# Altium PCB UCL-CPUM-H7-1.PcbDoc (part 1 of 3)
Units mm, origin at the board's own origin, x right, y up, seen from the top; angles counter-clockwise.
Board outline 42 x 53 mm, 6 copper layers (Top Layer, L2_GND, L3_VCC, L4_Sig, L5_GND, Bottom Layer), stack 1.657 mm thick; 102 components, 182 nets, 509 pads, 278 vias.
Unrouted connection lines stored in the file: 34.
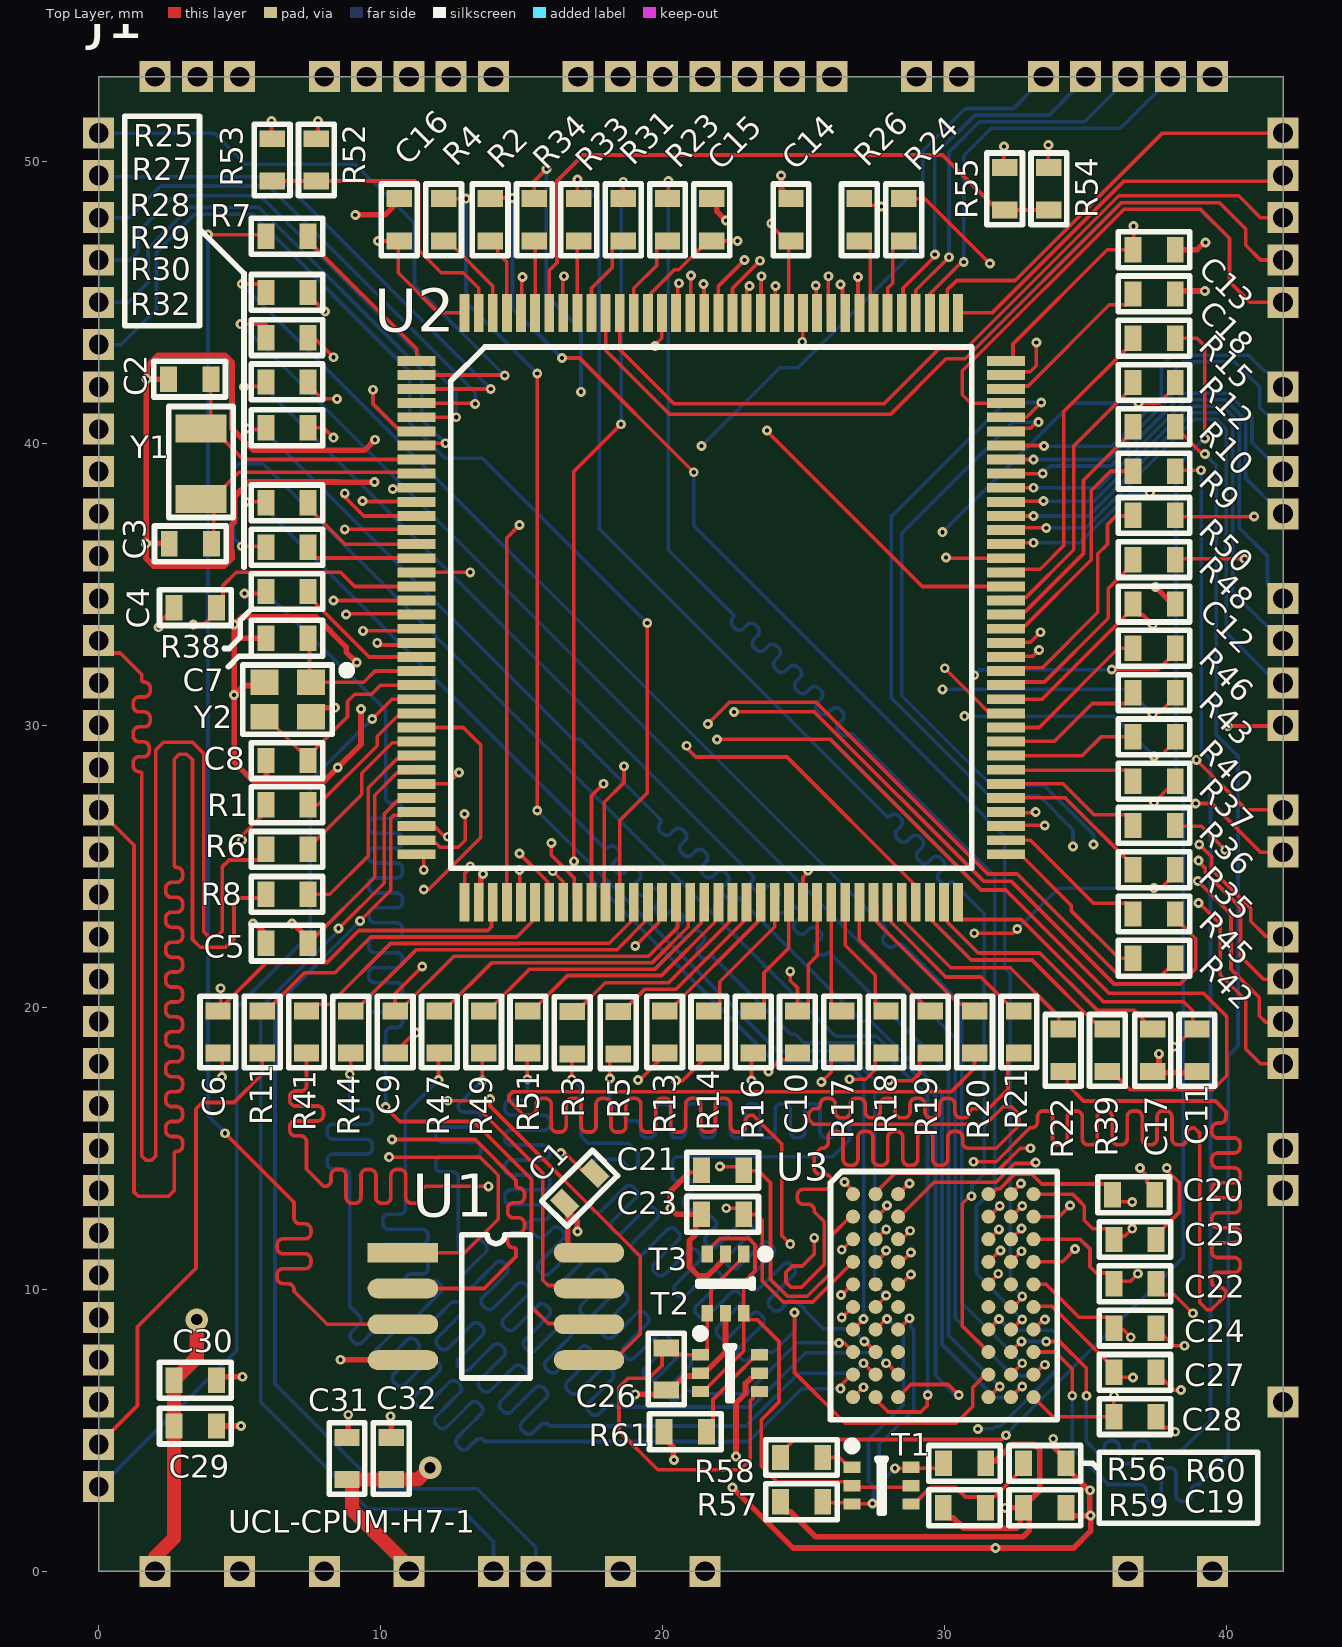
[diagram p0: Top Layer view]
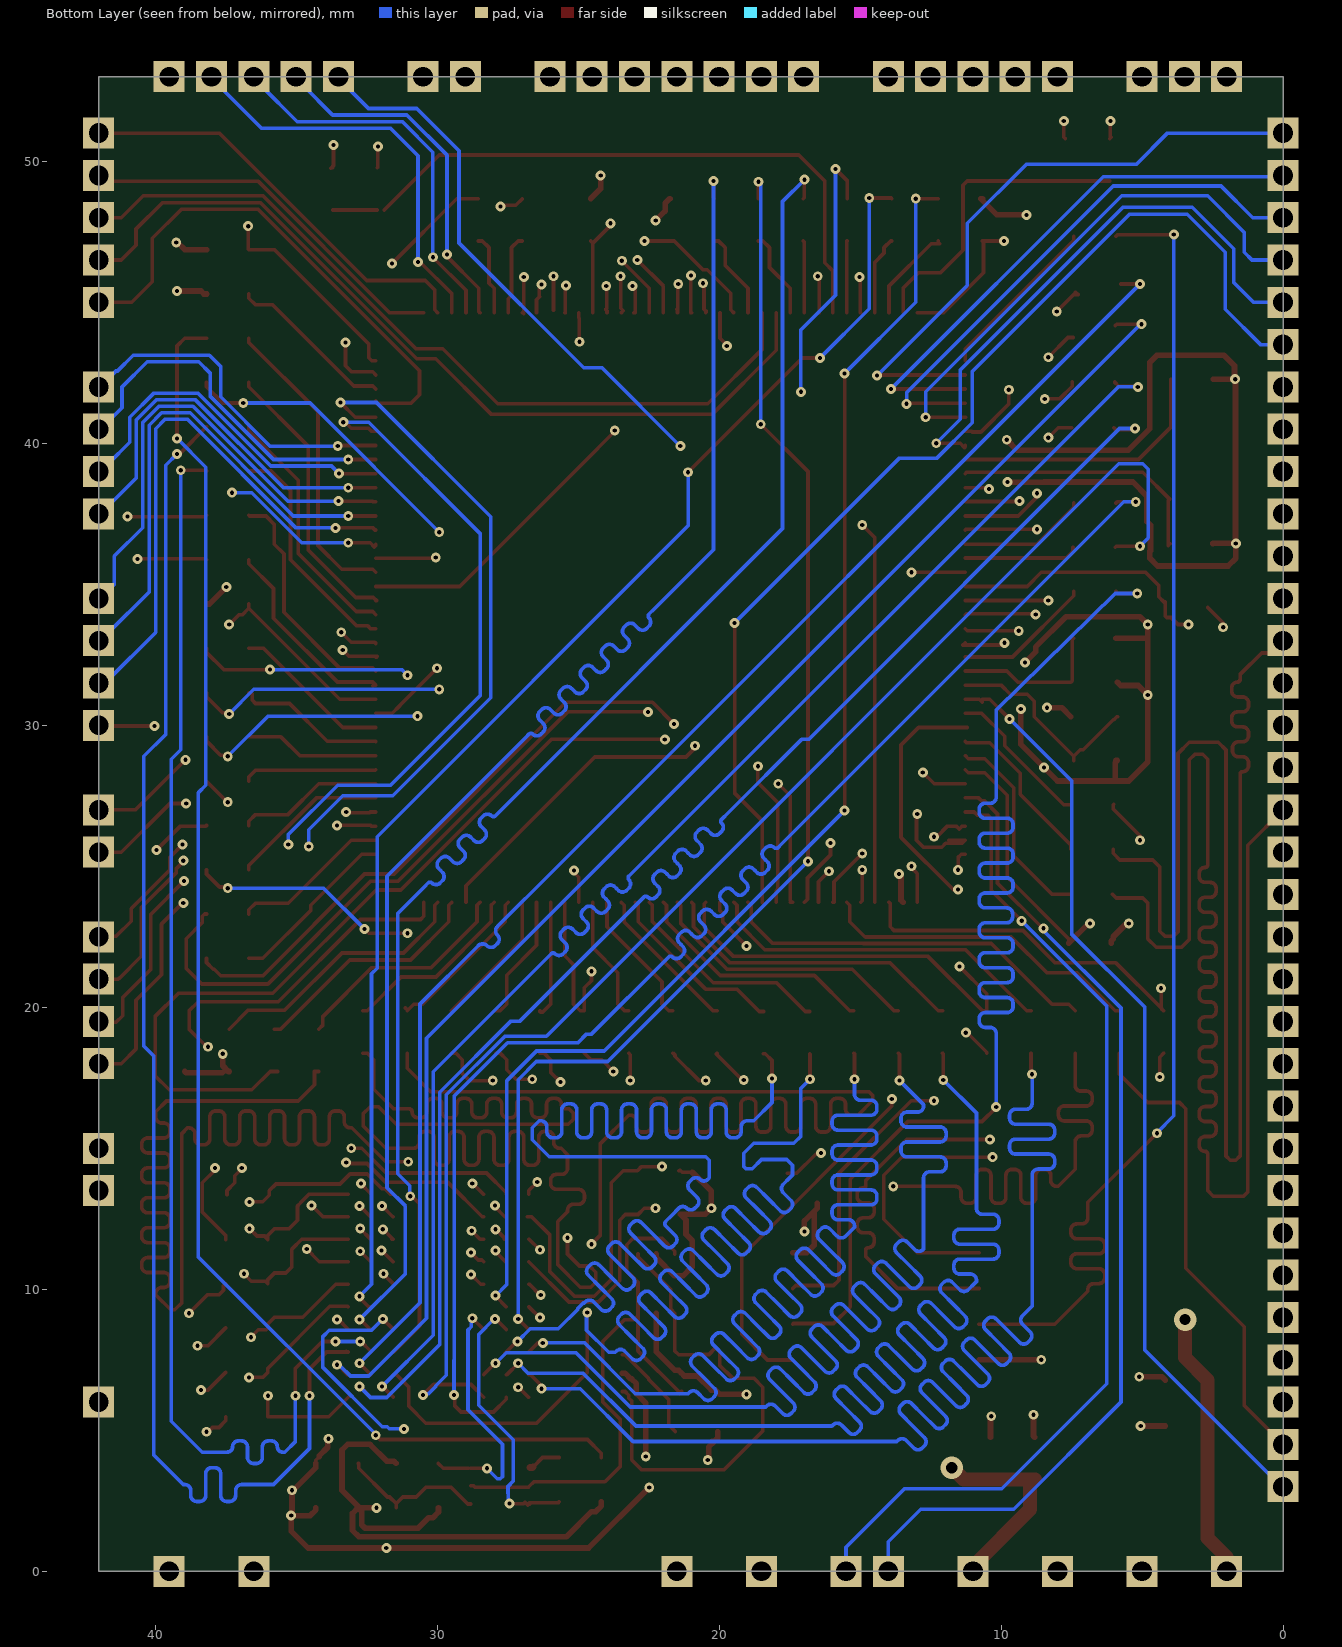
[diagram p1: Bottom Layer view, seen from below]
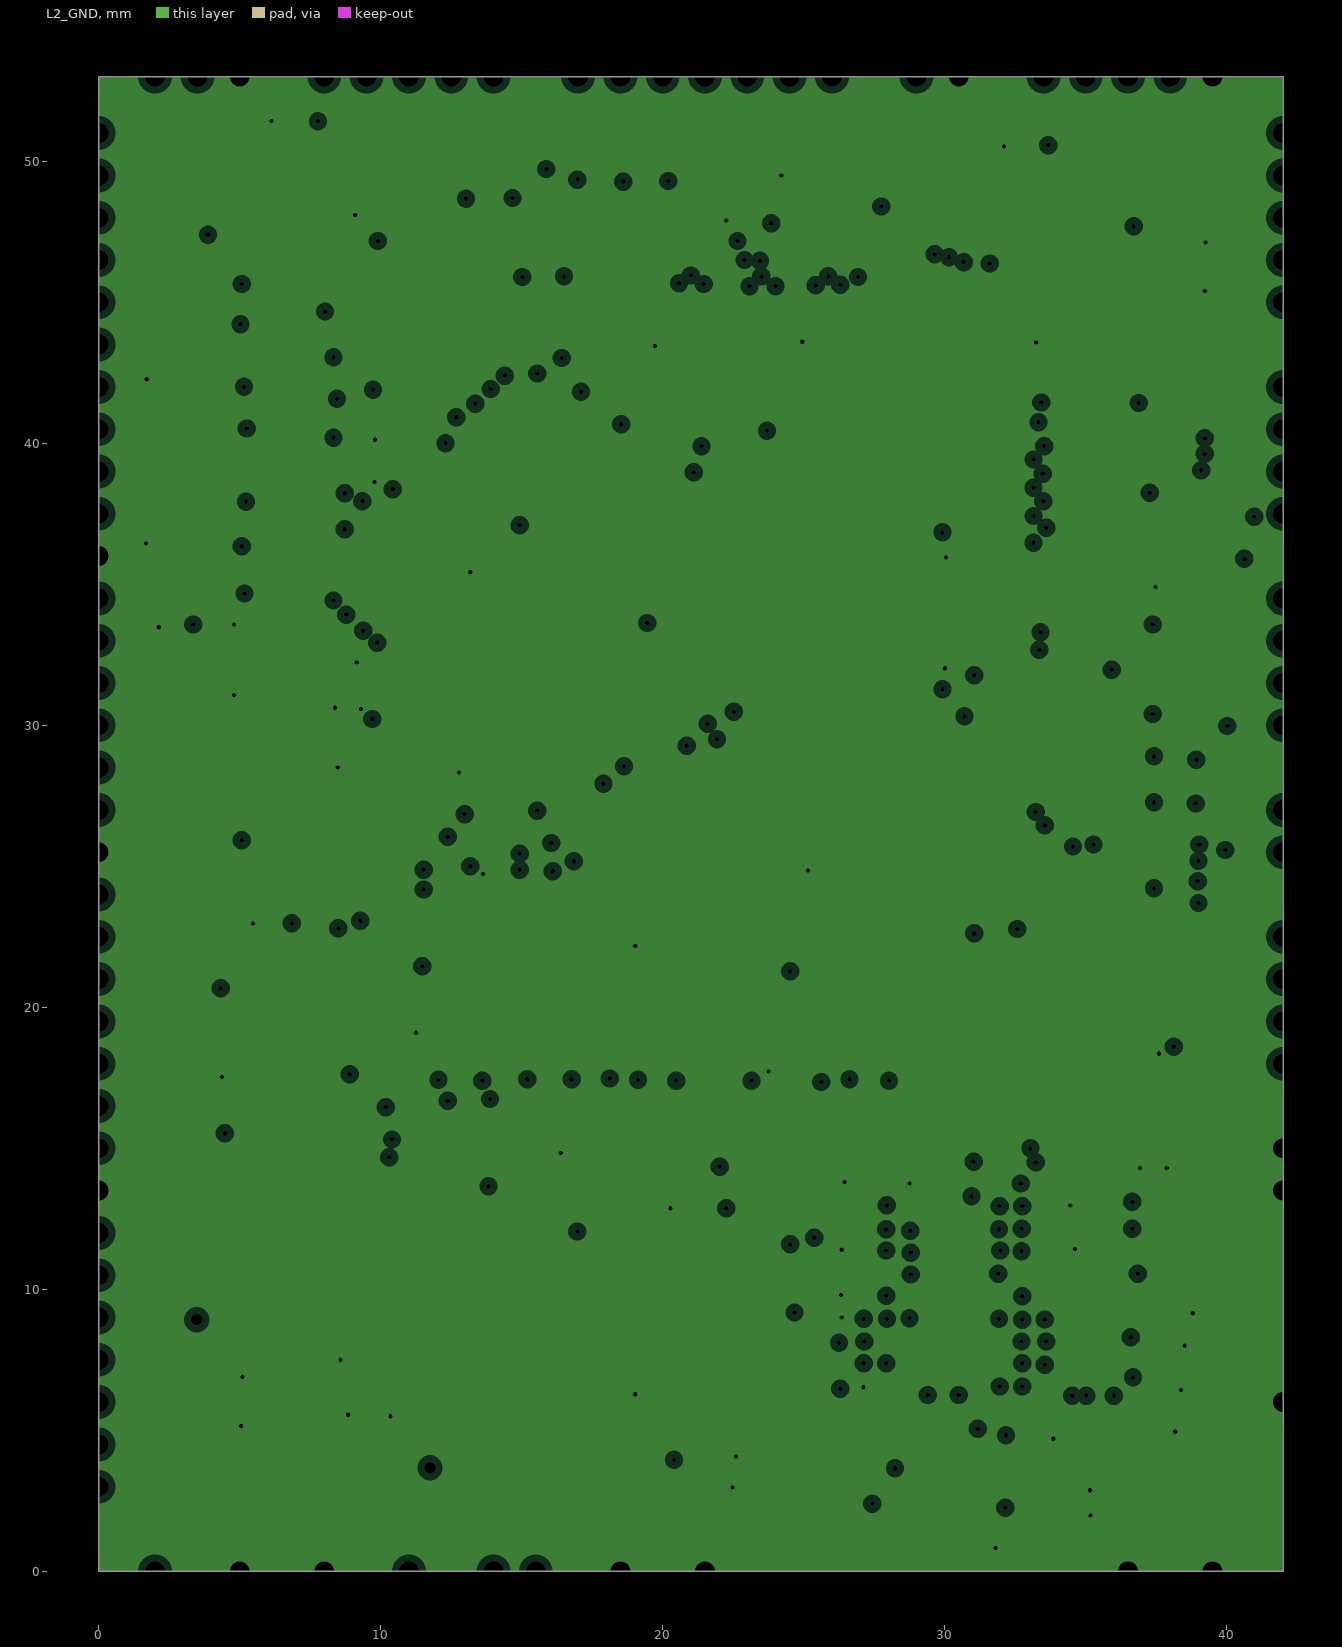
[diagram p2: L2_GND, clearances drawn from the general rule]
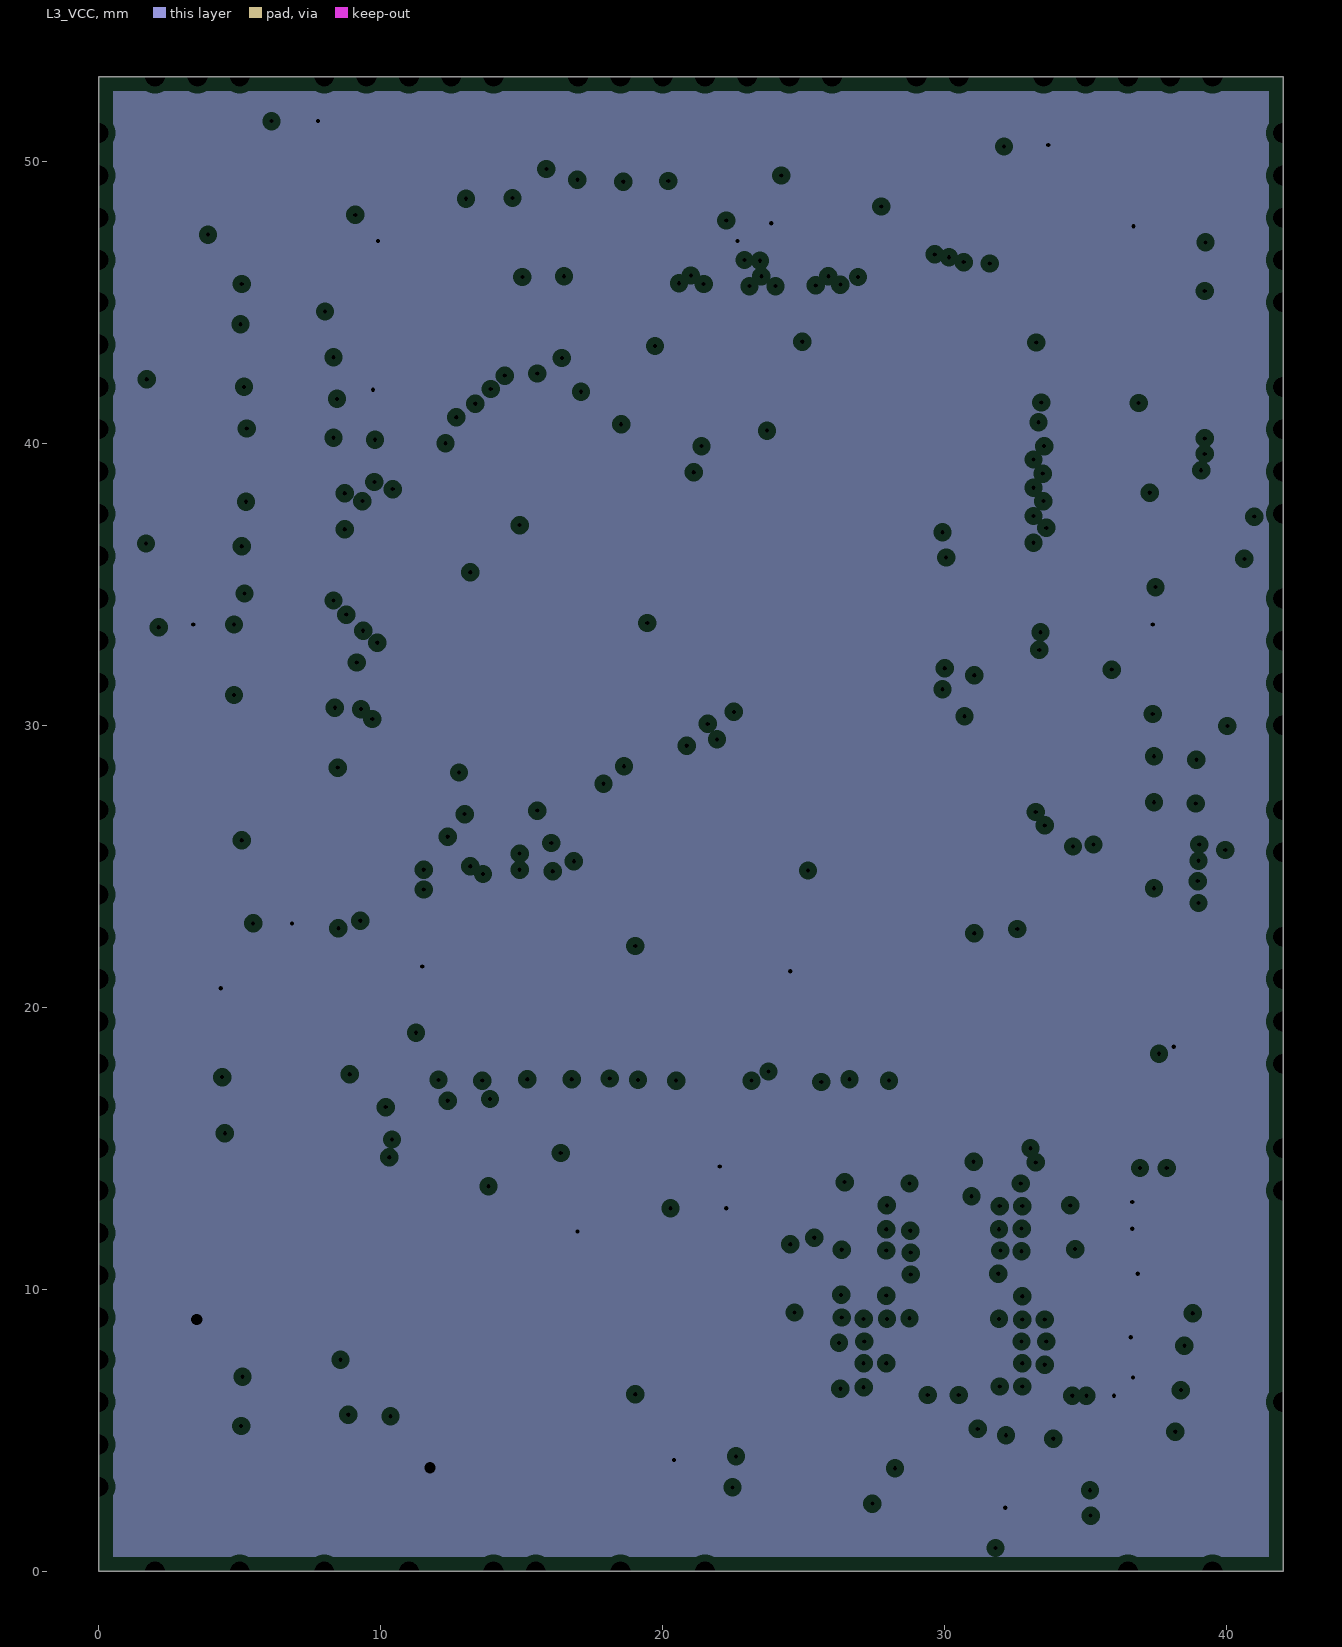
[diagram p3: L3_VCC, clearances drawn from the general rule]
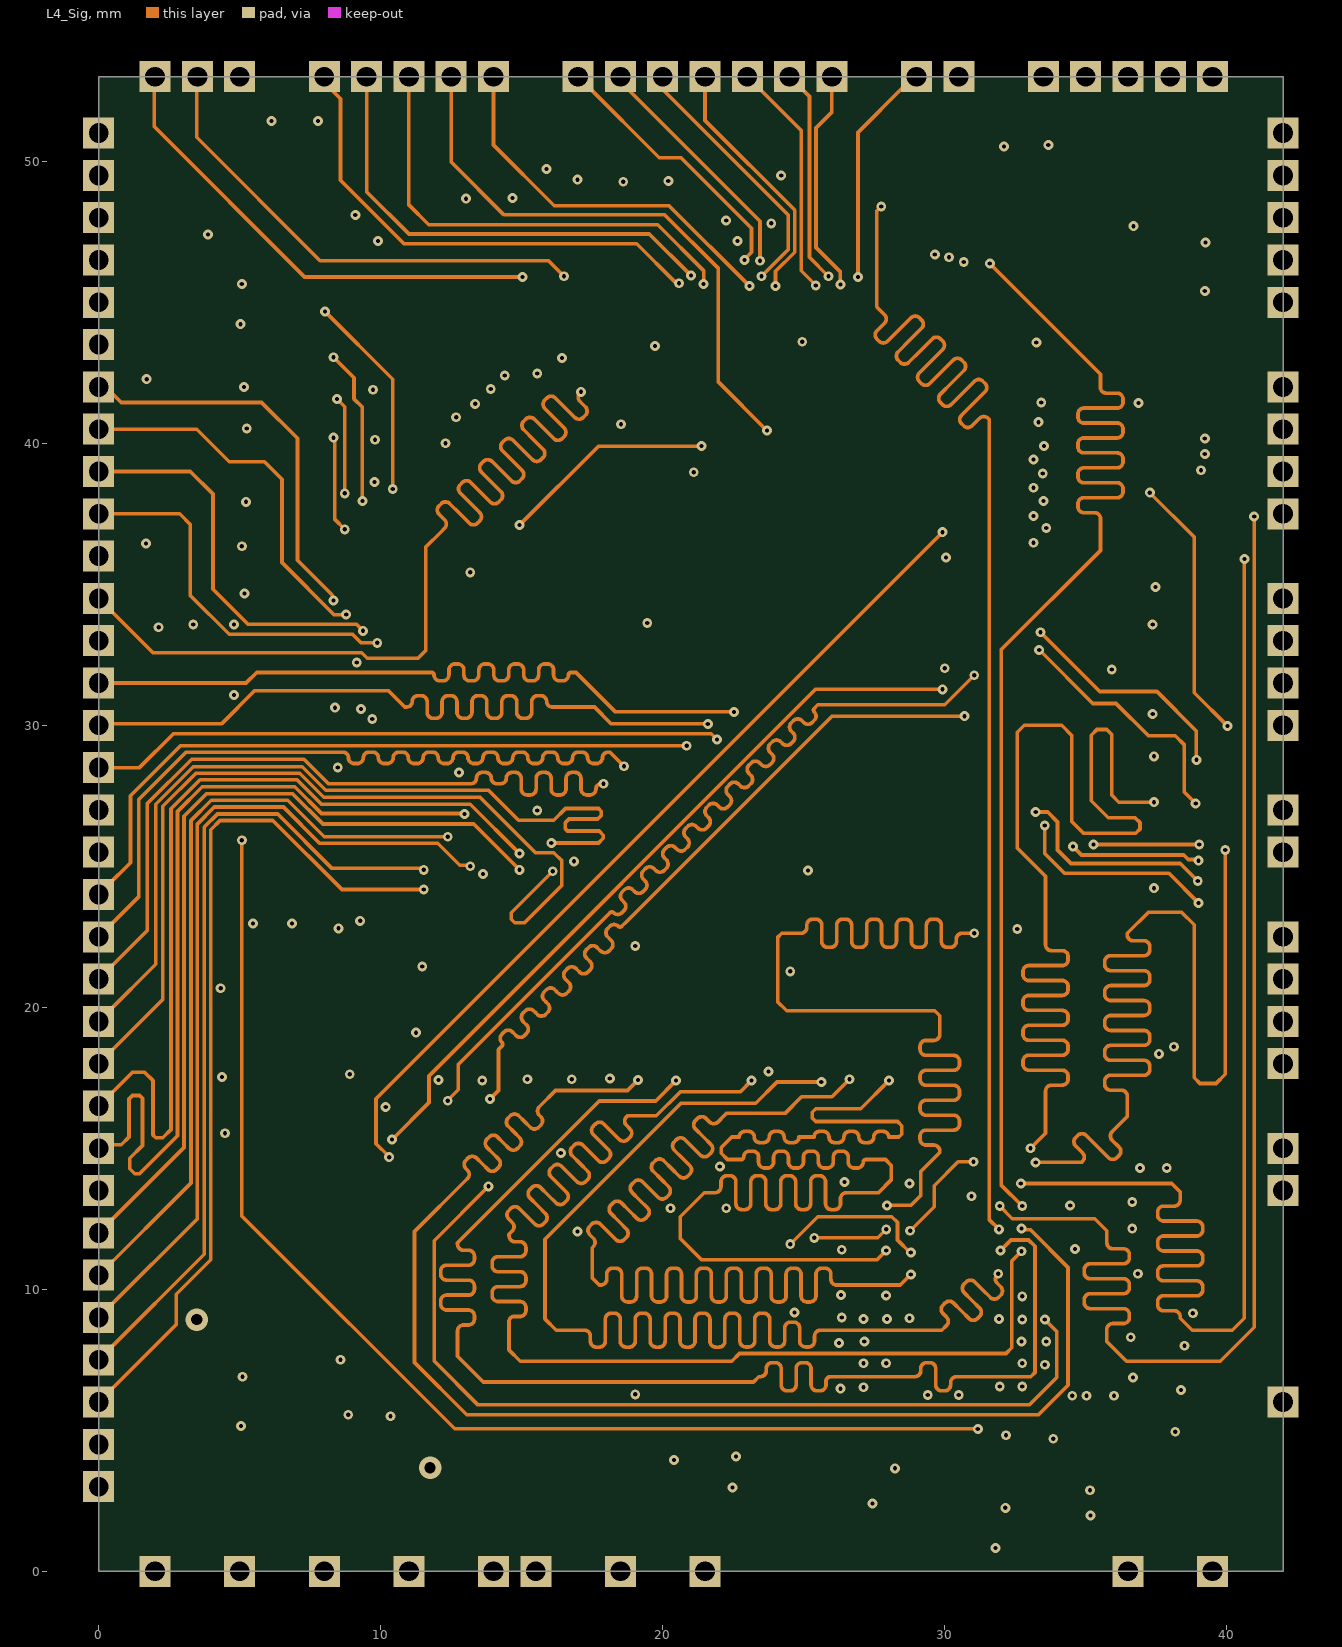
[diagram p4: L4_Sig]
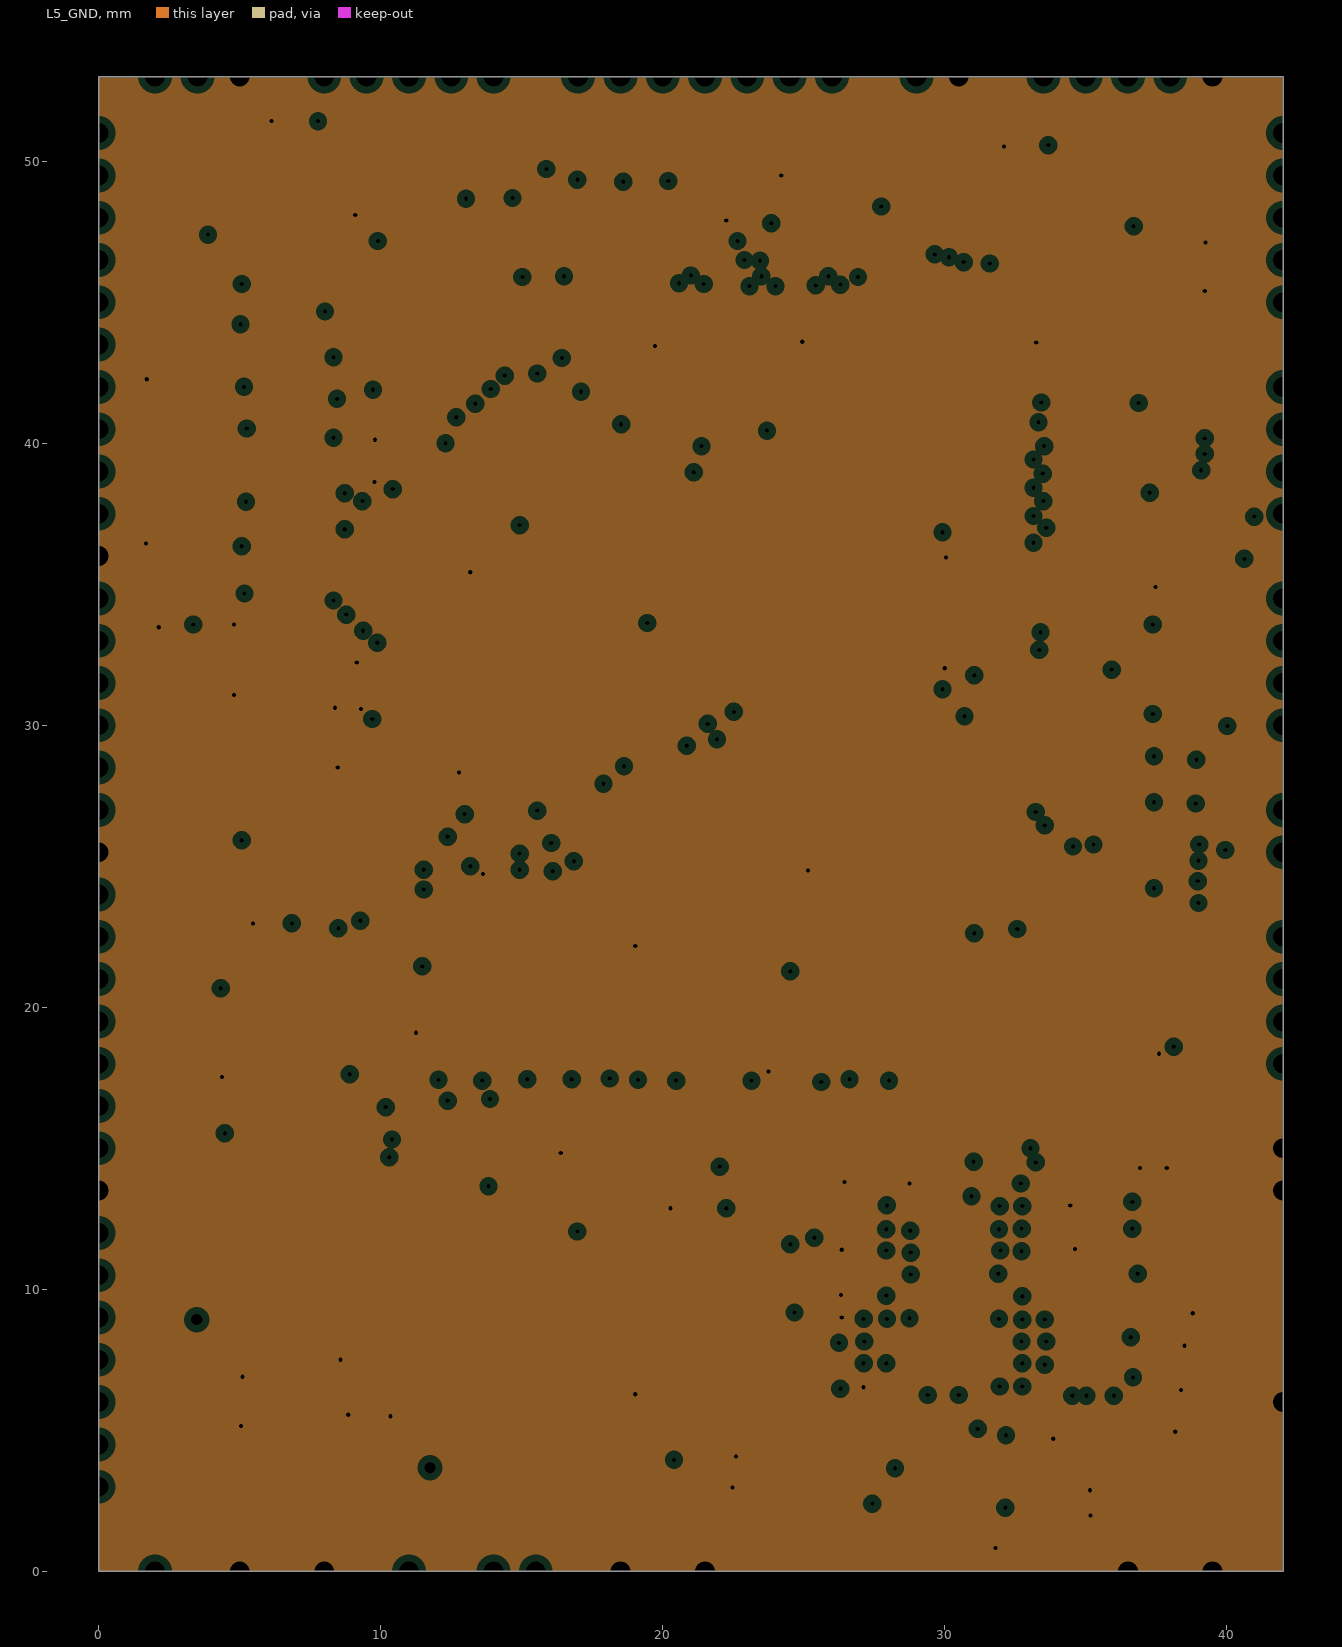
[diagram p5: L5_GND, clearances drawn from the general rule]
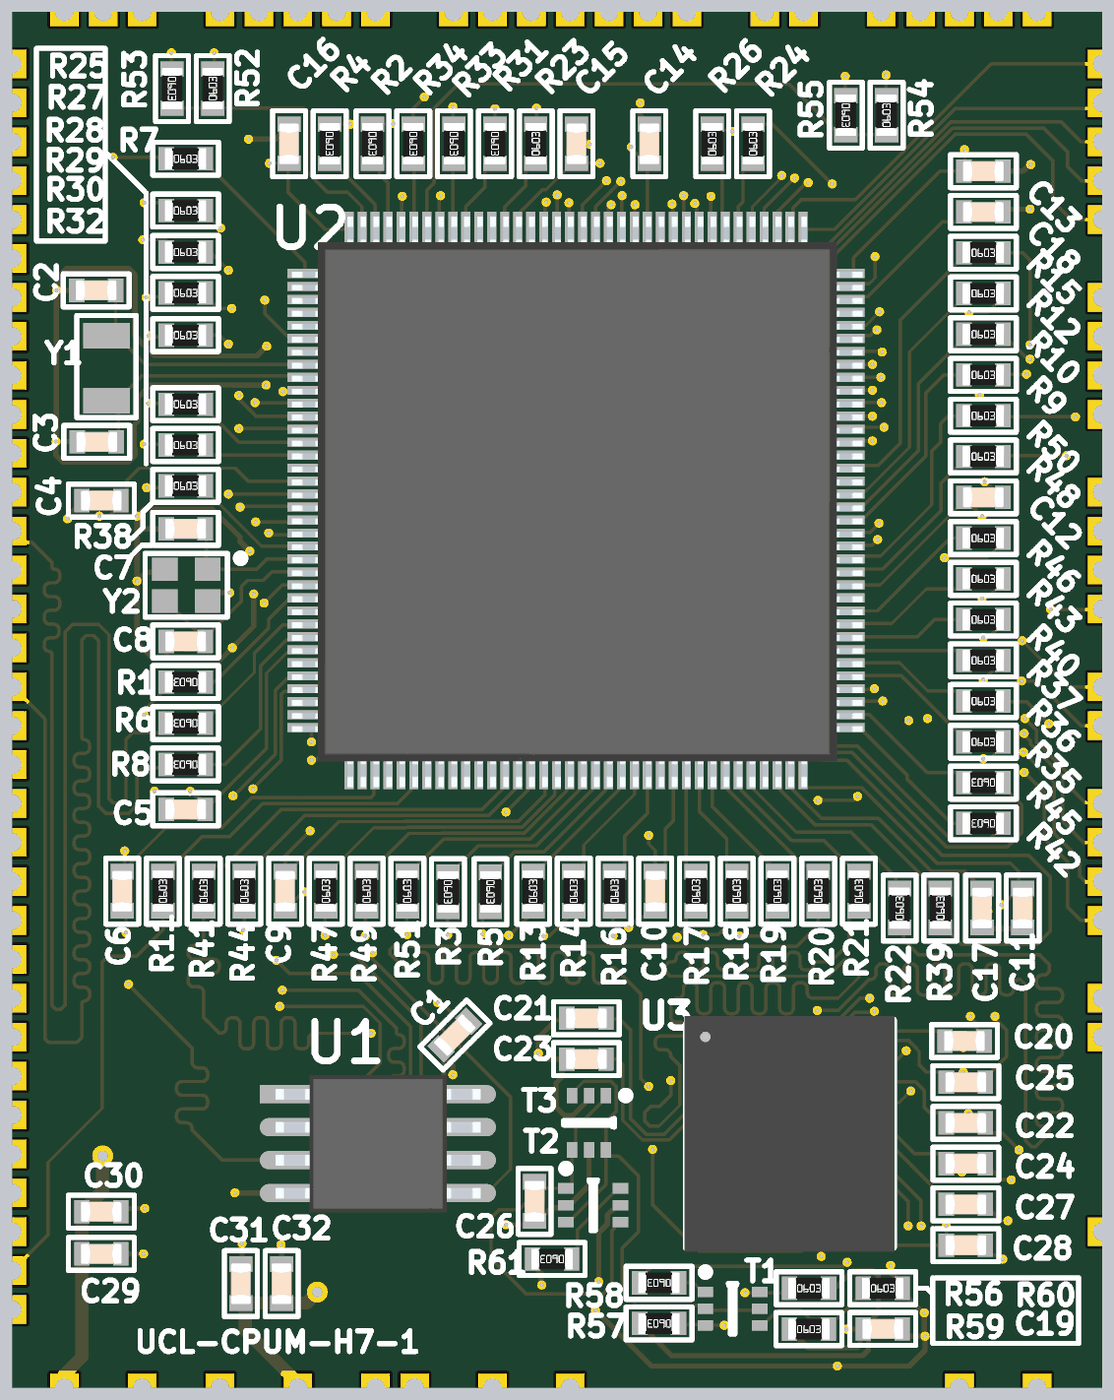
[diagram p8: 3D render of the assembled board from above, using the file's embedded part models]

## Layer stack, top to bottom
Top Solder: solder mask 0.0102, Solder Resist, Dk 3.5
Top Layer: signal copper 0.018
Dielectric1: prepreg 0.2, FR-4, Dk 4.8
L2_GND: plane copper 0.035, net GND
Dielectric2: core 0.36, FR-4, Dk 4.8
L3_VCC: plane copper 0.035, net VCC
Dielectric3: prepreg 0.36, FR-4, Dk 4.8
L4_Sig: signal copper 0.0356
Dielectric4: core 0.36, FR-4, Dk 4.8
L5_GND: plane copper 0.035, net GND
Dielectric5: prepreg 0.2, FR-4, Dk 4.8
Bottom Layer: signal copper 0.018
Bottom Solder: solder mask 0.0102, Solder Resist, Dk 3.5

## Board outline
42,53 42,0 0,0 0,53

## Design rules (kind name [scope] priority, off if disabled: settings)
Clearance Clearance-xPP-xTP-xTT [All] p1: gap=0.1 ignorepadtopadclearanceinfootprint=FALSE except(0: Arc-Hole Track-Hole SMDPad-Hole THPad-Hole Via-Hole Fill-Hole Poly-Hole Region-Hole Text-Hole)
ComponentClearance ComponentClearanceIgnoreExtIOs [HasFootprint('EXT_IOS')] p1: gap=0 collisioncheckmode=3 verticalgap=0 showdistances=FALSE
ComponentClearance [All] p2: gap=0.1 collisioncheckmode=3 verticalgap=0.25 showdistances=FALSE
DiffPairsRouting [All] p1: maxlimit=0.25 minlimit=0.1 mostfreqgap=0.25 toplayer_minwidth=0.13 toplayer_maxwidth=0.13 toplayer_prefwidth=0.13 midlayer3_maxgap=0.2 midlayer3_prefgap=0.2 midlayer3_minwidth=0.1 midlayer3_maxwidth=0.1 midlayer3_prefwidth=0.1 bottomlayer_minwidth=0.13 bottomlayer_maxwidth=0.13 bottomlayer_prefwidth=0.13 maxuncoupledlength=12.5
Height [All] p1: minheight=0 maxheight=25 prefheight=12.5
HoleSize HoleSize-PTH [All] p1: absolutevalues=TRUE maxlimit=2 minlimit=0.15 maxpercent=80.000 minpercent=20.000
HoleToHoleClearance [All] p1: gap=0.35 allowstackedmicrovias=TRUE
MatchedLengths MatchedLengths_ETH_RX [InNet('ETH_MII_RXD0') Or InNet('ETH_MII_RXD1') Or InNet('ETH_MII_RXD2') Or InNet('ETH_MII_RXD3') Or InNet('ETH_MII_RX_DV') Or InNet('ETH_MII_RX_CLK') Or InNet('ETH_MII_ RX_ER')] p1: tolerance=3 checknetsindiffpair=FALSE checkdiffpairvsdiffpair=TRUE checkxsignals=TRUE checkothers=TRUE
MatchedLengths MatchedLengths_ETH_TX [InNet('ETH_MII_TXD0') Or InNet('ETH_MII_TXD1') Or InNet('ETH_MII_TXD2') Or InNet('ETH_MII_TXD3') Or InNet('ETH_MII_TX_EN') Or InNet('ETH_MII_TX_CLK')] p2: tolerance=3 checknetsindiffpair=FALSE checkdiffpairvsdiffpair=TRUE checkxsignals=TRUE checkothers=TRUE
MatchedLengths MatchedLengths_QUADSPI [InNet('QUADSPI_ BK1_IO0') Or InNet('QUADSPI_ BK1_IO1') Or InNet('QUADSPI_ BK1_IO2') Or InNet('QUADSPI_ BK1_IO3') Or InNet('QUADSPI_ BK1_NCS') Or InNet('QUADSPI_ BK1_NCS') Or InNet('QUADSPI_ CLK')] p3: tolerance=2 checknetsindiffpair=FALSE checkdiffpairvsdiffpair=TRUE checkxsignals=TRUE checkothers=TRUE
MatchedLengths MatchedLengths_SDRAM [InNetClass('SDRAM_A[11..0]') Or InNetClass('SDRAM_D[15..0]') Or InNet('SDRAM_SDCKE1') Or InNet('SDRAM_SDNCAS') Or InNet('SDRAM_SDNRAS') Or InNet('SDRAM_SDNE1') Or InNet('SDRAM_SDNWE') Or InNet('SDRAM_BA0') Or InNet('SDRAM_BA1') Or InNet('SDRAM_NBL1') Or InNet('SDRAM_NBL0')] p4: tolerance=2 checknetsindiffpair=FALSE checkdiffpairvsdiffpair=TRUE checkxsignals=TRUE checkothers=TRUE
MinimumAnnularRing Minimum-IAR [All] p1: minimumring=0.1
MinimumSolderMaskSliver [All] p1: minsoldermaskwidth=0.08
PlaneClearance PlaneClearance-IPI [All] p1: clearance=0.25
PlaneConnect [All] p1: planeconnectstyle=Direct reliefexpansion=0.175 reliefentries=4 reliefconductorwidth=0.2 reliefairgap=0.2
PolygonConnect PolygonConnect-xTW [All] p1: connectstyle=Direct reliefconductorwidth=0.2 reliefentries=4 polygonreliefangle="90 Angle" airgapwidth=0.2
RoutingCorners [All] p1: cornerstyle=45-Degree minsetback=2.5 maxsetback=2.5
RoutingVias [All] p1: holewidth=0.15 width=0.35 viastyle="Through Hole" minholewidth=0.15 minwidth=0.35 maxholewidth=0.75 maxwidth=1
SilkToSilkClearance [All] p1: silktosilkclearance=0
SilkToSolderMaskClearance SilkscreenOverComponentPads [IsPad] p1: minsilkscreentomaskgap=0.05 clearancetoexposedcopper=TRUE
SolderMaskExpansion [All] p1: expansion=0
UnRoutedNet [All] p1: checkbadconnections=TRUE
Width Width-xTW [All] p1: maxlimit=1.5 minlimit=0.1 preferedwidth=0.2
18 further rules are at their usual default settings.

## Classes and differential pairs
net class SDRAM_D[15..0]: SDRAM_D0 SDRAM_D1 SDRAM_D2 SDRAM_D3 SDRAM_D4 SDRAM_D5 SDRAM_D6 SDRAM_D7 SDRAM_D8 SDRAM_D9 SDRAM_D10 SDRAM_D11 SDRAM_D12 SDRAM_D13 SDRAM_D14 SDRAM_D15
net class SDRAM_A[11..0]: SDRAM_A0 SDRAM_A1 SDRAM_A2 SDRAM_A3 SDRAM_A4 SDRAM_A5 SDRAM_A6 SDRAM_A7 SDRAM_A8 SDRAM_A9 SDRAM_A10 SDRAM_A11
component class U_SDRAM: C19 C20 C21 C22 C23 C24 C25 C26 C27 C28 R56 R57 R58 R59 R60 R61 T1 T2 T3 U3
component class U_MCU: C2 C3 C4 C5 C6 C7 C8 C9 C10 C11 C12 C13 C14 C15 C16 C17 C18 R1 R2 R3 R4 R5 R6 R7 R8 R9 R10 R11 R12 R13 R14 R15 R16 R17 R18 R19 R20 R21 R22 R23 R24 R25 R26 R27 R28 R29 R30 R31 R32 R33 R34 R35 R36 R37 R38 R39 R40 R41 R42 R43 R44 R45 R46 R47 R48 R49 R50 R51 R52 R53 R54 R55 U2 Y1 Y2
component class U_Flash: C1 U1
component class Top: C29 C30 C31 C32 J1
differential pair SDRAM_CK: +SDRAM_CK_P -SDRAM_CK_N
